# KiCad board AFP_K5172.kicad_pcb (continued)
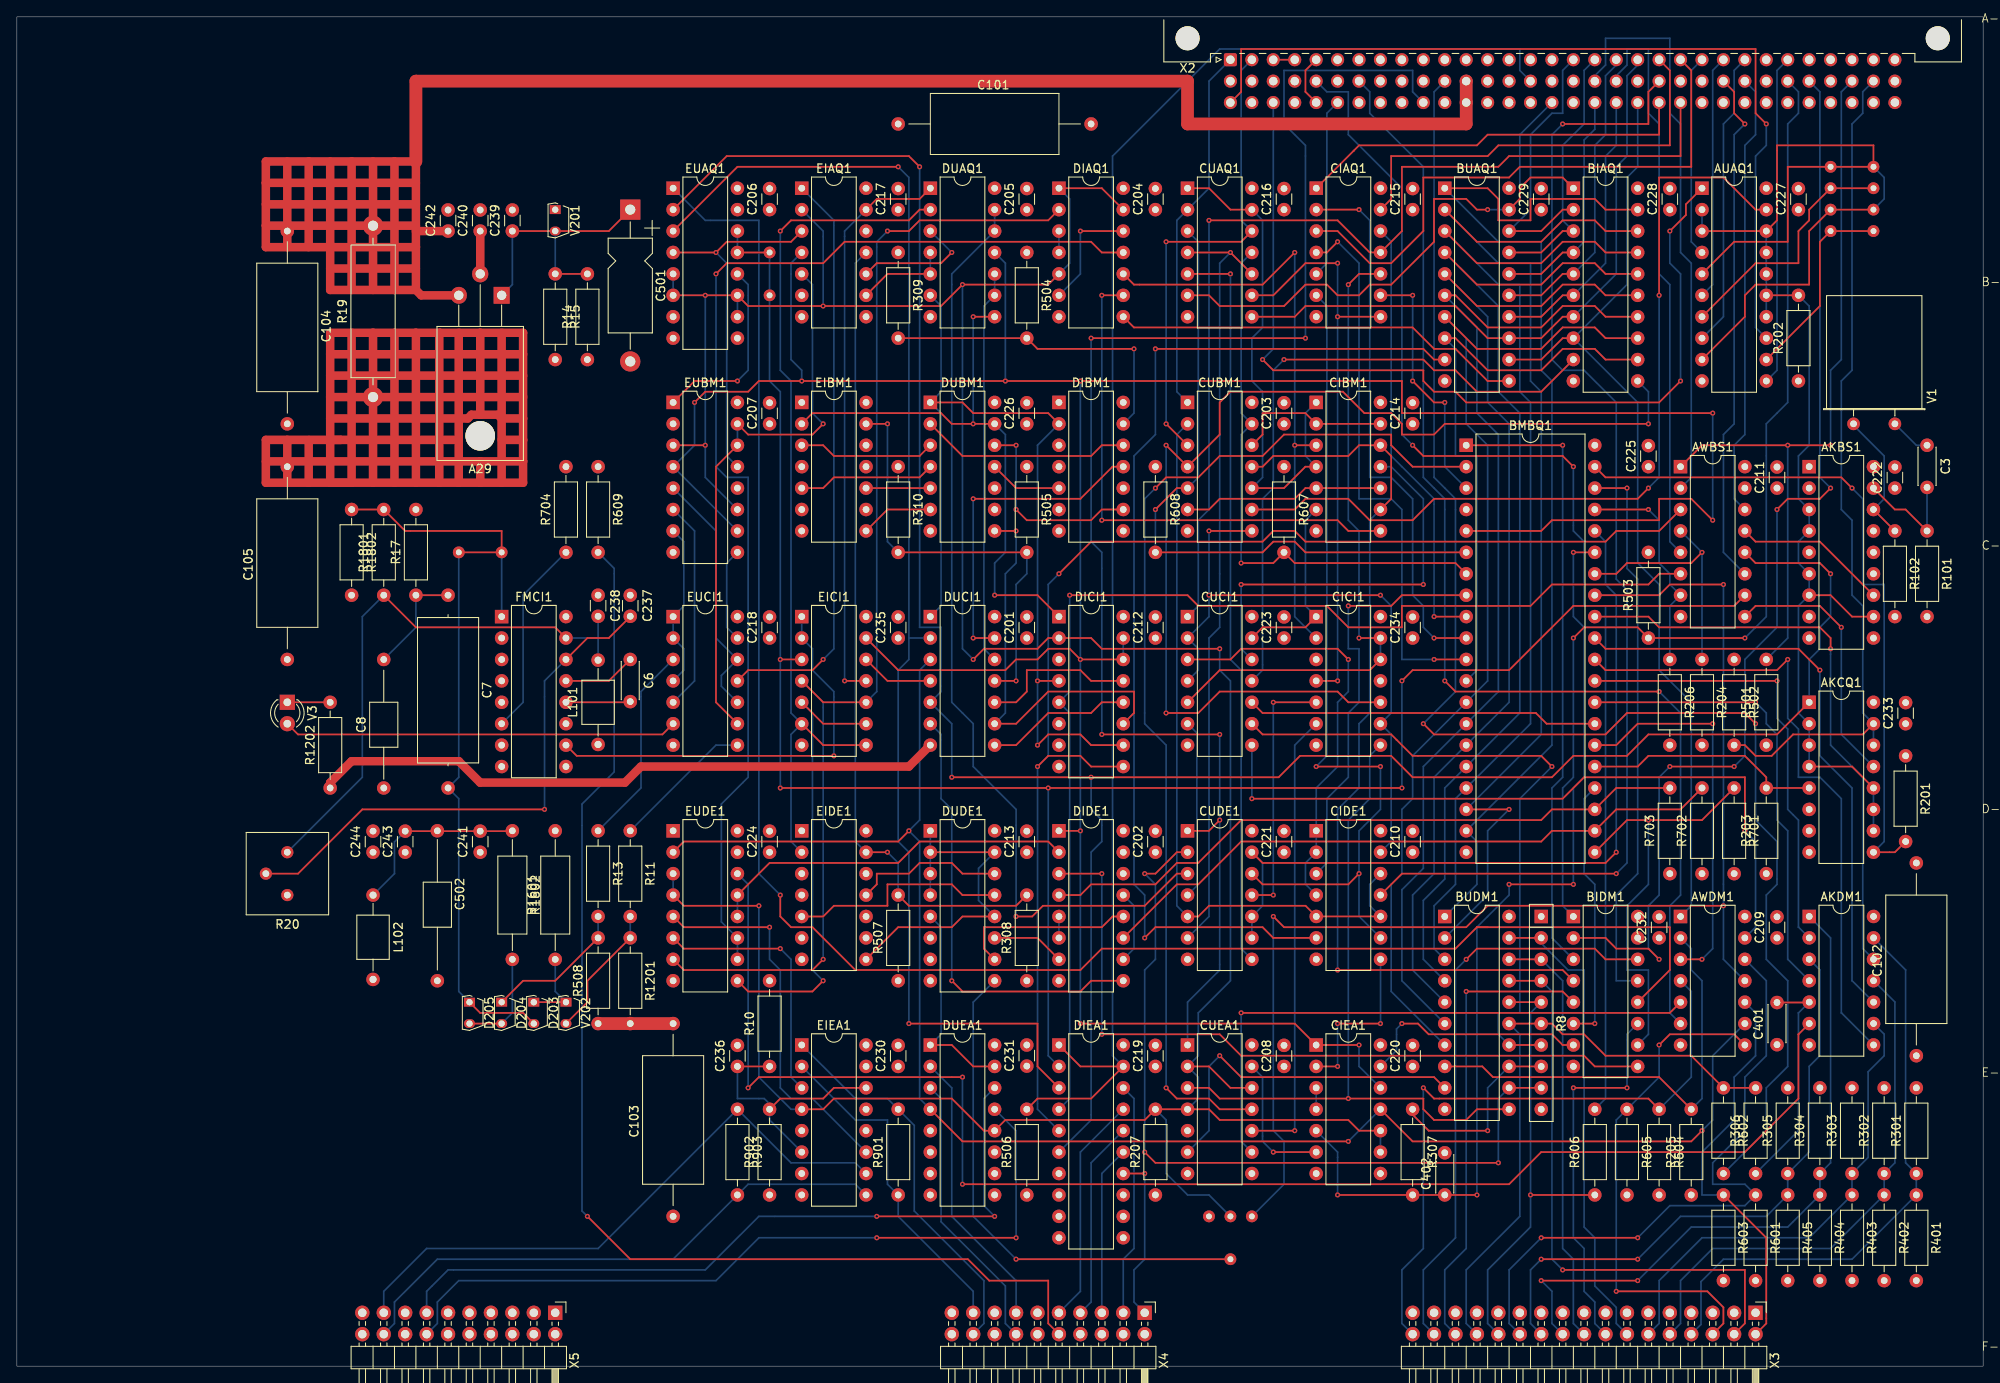
[diagram p0: board, top side]
## Footprints (pads in the part's own frame, mm; a bottom-side part is the same pattern mirrored in y, then rotated) (continued)
  round 2.4 hole 1.2: 1(0,0)
  oval 2.4x2.4 hole 1.2: 2(20.32,0)
TO-92S-2
  rect 1.05x1.3 hole 0.75: 1(0,0)
  oval 1.05x1.3 hole 0.75: 2(2.54,0)
TO-220-3_Horizontal_TabDown
  round 3.5 hole 3.5 unplated: (2.54,16.66)
  rect 1.905x2 hole 1.1: 1(0,0)
  oval 1.905x2 hole 1.1: 2(2.54,-2.54) 3(5.08,0)

## Nets
12P: A29.3 C104.1 C242.1 R19.2 X2.b12 X2.c12
+MFMRDDATA1: EIEA1.2 R901.1 X4.17
+MFMRDDATA2: EIEA1.10 R903.1 X5.17
+MFMWRDATA1: DUEA1.2 X4.13
+MFMWRDATA2: DUEA1.14 X5.13
-10CLKP: DIEA1.14 X4.1
-A0: CIAQ1.13 X2.a21
-A1: CIAQ1.1 X2.c21
-A2: CIAQ1.3 X2.a22
-A3: CIAQ1.11 CUCI1.1 X2.c22
-A4: AUAQ1.4 X2.a23
-A5: AUAQ1.6 X2.a24
-A6: AUAQ1.8 X2.a25
-A7: AUAQ1.11 X2.a27
-BAI: X2.a5 X2.c5
-BUSACK: CIAQ1.5 X2.c6
-CSASDRP: CIDE1.11 X2.b21
-D0: BIAQ1.1 BUAQ1.19 CUAQ1.6 X2.c16
-D1: BIAQ1.2 BUAQ1.18 X2.a17
-D2: BIAQ1.3 BUAQ1.17 X2.a18
-D3: BIAQ1.4 BUAQ1.16 X2.c18
-D4: BIAQ1.5 BUAQ1.15 X2.a19
-D5: BIAQ1.6 BUAQ1.14 X2.c19
-D6: BIAQ1.7 BUAQ1.13 CUAQ1.8 X2.a20
-D7: AWDM1.1 BIAQ1.8 BUAQ1.12 X2.c20
-DIRIN: AWDM1.4 R604.1 X3.34
-DMARDY0: AWDM1.6 X2.b7
-DRUNP: DIEA1.15 X4.5
-DSEL1: BUDM1.16 R8.5 R606.1 X3.26
-DSEL2: BUDM1.15 R8.6 R306.2 R602.1 X3.28
-HSEL0: BUDM1.19 R8.2 X3.14
-HSEL1: BUDM1.18 R8.3 X3.18
-HSEL2: BUDM1.17 R8.4 X3.4
-INDEX: AKDM1.1 R304.1 R404.1 X3.20
-IORQ: AUAQ1.1 X2.c3
-M1: AUAQ1.13 X2.c1
-MFMRDDATA1: EIEA1.1 R901.2 X4.18
-MFMRDDATA2: EIEA1.9 R903.2 X5.18
-MFMWRDATA1: DUEA1.3 X4.14
-MFMWRDATA2: DUEA1.13 X5.14
-PBC9: BIDM1.2 X2.b28
-PEN: DIEA1.1 DIEA1.19 R506.2 X2.b15
-PHTDP: DIEA1.17 X4.9
-PMUL2: AWBS1.1 R501.2 X2.b30
-PMULT: BIDM1.1 R503.1 X2.b27
-PRES: AKCQ1.14 AKCQ1.15 R502.2 X2.b31
-RD: CUAQ1.2 CUBM1.1 X2.a1
-RDATAP: DIEA1.16 X4.7
-READY: AKDM1.3 R305.1 R405.1 X3.22
-RESET: CUDE1.1 CUEA1.1 X2.c10
-RWC: AWDM1.10 R603.1 X3.2
-SC: AKDM1.13 R301.1 R401.1 X3.8
-STEP: AWDM1.12 R601.1 X3.24
-TRACK: AKDM1.11 R302.1 R402.1 X3.10
-VCOCLKP: DIEA1.18 X4.3
-WF: AKDM1.9 R303.1 R403.1 X3.12
-WR: CUAQ1.12 CUBM1.3 X2.a2
-WRGATE: AWDM1.8 R605.1 X3.6
/10CLKI: AKCQ1.1 AWBS1.12 DIEA1.6 DUCI1.5 EUAQ1.2
/D0: BIAQ1.19 BMBQ1.19 BUAQ1.1 BUDM1.1
/D1: BIAQ1.18 BMBQ1.18 BUAQ1.2 BUDM1.2
/D2: BIAQ1.17 BMBQ1.17 BUAQ1.3 BUDM1.3
/D3: BIAQ1.16 BMBQ1.16 BUAQ1.4 BUDM1.4
/D4: BIAQ1.15 BMBQ1.15 BUAQ1.5 BUDM1.5
/D5: BIAQ1.14 BMBQ1.14 BUAQ1.6 BUDM1.6
/D6: BIAQ1.13 BMBQ1.13 BUAQ1.7 BUDM1.7
/D7: BIAQ1.12 BMBQ1.12 BUAQ1.8
/DRUNI: AWBS1.3 DICI1.9 DIEA1.5
/PHTDI: DIEA1.3 DUCI1.2 EUAQ1.3
/RDATAI: AWBS1.6 DICI1.5 DIEA1.4
/VCOCLK: AWBS1.10 DIEA1.2 EICI1.3 ERAW1.1 ERBC1.1 EUAQ1.13 EUAQ1.14
A: AKBS1.18 AKCQ1.16 AKDM1.14 AUAQ1.20 AWBS1.16 AWDM1.14 BIAQ1.20 BIDM1.16 BMBQ1.40 BUAQ1.20 BUDM1.20 C101.2 C102.2 C103.2 C201.2 C202.2 C203.2 C204.2 C205.2 C206.2 C207.2 C208.2 C209.2 C210.2 C211.2 C212.2 C213.2 C214.2 C215.2 C216.2 C217.2 C218.2 C219.2 C220.2 C221.2 C222.2 C223.2 C224.2 C225.2 C226.2 C227.2 C228.2 C229.2 C230.2 C231.2 C232.2 C233.2 C234.2 C235.2 CIAQ1.14 CIBM1.14 CICI1.14 CIDE1.14 CIEA1.14 CUAQ1.14 CUBM1.14 CUCI1.14 CUDE1.14 CUEA1.14 DIAQ1.14 DIBM1.14 DICI1.16 DIDE1.16 DIEA1.20 DUAQ1.14 DUBM1.14 DUCI1.14 DUDE1.16 DUEA1.16 EIAQ1.14 EIBM1.14 EICI1.14 EIDE1.14 EIEA1.16 EUAQ1.16 EUBM1.16 EUCI1.14 EUDE1.16 R8.1 R201.1 R202.1 R203.1 R204.2 R205.1 R206.2 R207.1 R301.2 R302.2 R303.2 R304.2 R305.2 R501.1 R502.1 R503.2 R504.1 R505.1 R506.1 R507.1 R508.1 R601.2 R603.2 R604.2 R605.2 R607.1 R608.1 R701.2 R702.1 R703.1 R902.1 R1201.2 X2.a11 X2.a12 X2.a14 X2.a15 X2.c24 X2.c25
B: AKAQ1.1 AKAU1.1 AKBS1.1 AKBS1.9 AKBS1.13 AKBS1.14 AKCQ1.8 AKDM1.7 AOAQ1.1 AOAU1.1 AUAQ1.7 AUAQ1.10 AUAQ1.12 AWBS1.8 AWBS1.15 AWDM1.7 BIAQ1.10 BIDM1.8 BIDM1.15 BMBQ1.20 BUAQ1.10 BUDM1.10 C8.1 C101.1 C102.1 C103.1 C104.2 C105.2 C201.1 C202.1 C203.1 C204.1 C205.1 C206.1 C207.1 C208.1 C209.1 C210.1 C211.1 C212.1 C213.1 C214.1 C215.1 C216.1 C217.1 C218.1 C219.1 C220.1 C221.1 C222.1 C223.1 C224.1 C225.1 C226.1 C227.1 C228.1 C229.1 C230.1 C231.1 C232.1 C233.1 C234.1 C235.1 C236.2 C237.1 C238.1 C239.2 C240.2 C241.1 C242.2 C243.1 C244.1 C401.1 C402.2 C501.2 C502.2 CIAQ1.7 CIBM1.7 CICI1.7 CIDE1.7 CIEA1.7 CUAQ1.7 CUBM1.7 CUCI1.7 CUDE1.7 CUEA1.7 DIAQ1.7 DIBM1.7 DICI1.3 DICI1.8 DIDE1.8 DIDE1.14 DIEA1.7 DIEA1.8 DIEA1.9 DIEA1.10 DUAQ1.7 DUBM1.7 DUCI1.7 DUDE1.7 DUDE1.8 DUEA1.7 DUEA1.8 DUEA1.9 EIAQ1.7 EIAQ1.12 EIBM1.7 EICI1.7 EIDE1.7 EIEA1.7 EIEA1.8 EIEA1.12 EIEA1.15 EUAQ1.8 EUAQ1.15 EUBM1.2 EUBM1.8 EUBM1.12 EUCI1.7 EUDE1.1 EUDE1.8 EUDE1.15 FMCI1.2 FMCI1.3 FMCI1.8 FMCI1.9 FMCI1.11 R10.2 R14.1 R17.2 R20.3 R101.2 R102.2 R308.1 R309.1 R310.1 R401.2 R402.2 R403.2 R404.2 R405.2 R1202.1 R1601.2 R1802.2 X2.b2 X2.b6 X2.b9 X2.b13 X2.b17 X2.b20 X2.b23 X2.b26 X2.b29 X2.b32 X3.1 X3.3 X3.5 X3.7 X3.9 X3.11 X3.13 X3.15 X3.17 X3.19 X3.21 X3.23 X3.25 X3.27 X3.29 X3.31 X3.33 X4.2 X4.4 X4.6 X4.8 X4.11 X4.12 X4.15 X4.16 X4.19 X4.20 X5.2 X5.4 X5.6 X5.8 X5.11 X5.12 X5.15 X5.16 X5.19 X5.20 X7.4.1
H1: AKAO1.1 AKAS1.1 AKBS1.3 AKBS1.4 AKBS1.6 AKBS1.7 AKBS1.11 AKCQ1.2 AKCQ1.3 AKCQ1.4 AKCQ1.10 AKCQ1.11 AKCQ1.12 AOAO1.1 AOAS1.1 AUAQ1.2 AUAQ1.3 AUAQ1.5 AUAQ1.9 AUAQ1.14 AUAQ1.15 AUAQ1.16 AUAQ1.17 AUAQ1.18 R202.2
H2: CIEA1.9 CIEA1.10 CUEA1.2 CUEA1.4 CUEA1.12 DIAQ1.1 DIAQ1.5 DIAQ1.13 DICI1.2 DUEA1.12 EIAQ1.2 EIEA1.4 EUAQ1.5 EUAQ1.6 EUAQ1.10 EUAQ1.11 EUBM1.3 EUBM1.11 EUDE1.3 EUDE1.4 R207.2 X7.2.1
PDRUN: AWBS1.2 X2.b18
PLL5P: A29.2 C105.1 C240.1 C244.2 FMCI1.16 L101.1 L102.2 R15.2 R19.1 R609.1 R704.2 V201.1
PLL5PM: R609.2 X4.10
PRCLK: AWBS1.11 X2.b24
PRDATA: AWBS1.5 X2.b19
PRG: BIDM1.14 X3.32
PWCLK: AWBS1.14 X2.b25
PWDATA: BIDM1.11 X3.16
PWG: BIDM1.5 X3.30
Net-(A29-ADJ): A29.1 C239.1 C501.1 R14.2 R15.1 V201.2
Net-(AKBS1-OSC): AKBS1.12 AWBS1.13
Net-(AKBS1-X1): AKBS1.17 C3.2 R101.1
Net-(AKBS1-X2): AKBS1.16 R102.1 V1.2
Net-(AKDM1-Pad5): AKDM1.5 C401.2 R306.1
Net-(AUAQ1-Pad19): AUAQ1.19 CUBM1.9
Net-(AWBS1-0): AWBS1.4 BMBQ1.34 R204.1
Net-(AWBS1-1): AWBS1.7 BMBQ1.37 R206.1
Net-(AWBS1-2): AKCQ1.13 AWBS1.9
Net-(AWDM1-Pad5): AWDM1.5 CUEA1.9
Net-(AWDM1-Pad13): AWDM1.13 CUCI1.8
Net-(BIAQ1-CS): BIAQ1.9 CUCI1.11
Net-(BIAQ1-STB): BIAQ1.11 CICI1.10 CUBM1.4
Net-(BIDM1-0): BIDM1.4 CIBM1.9 CIBM1.12 CUBM1.11
Net-(BIDM1-1): BIDM1.7 CIEA1.13
Net-(BIDM1-2): BIDM1.9 DIDE1.3
Net-(BIDM1-3): BIDM1.12 EUAQ1.1
Net-(BIDM1-B0): BIDM1.3 BMBQ1.1
Net-(BIDM1-B1): BIDM1.6 BMBQ1.24
Net-(BIDM1-B2): BIDM1.10 BMBQ1.21 R701.1
Net-(BIDM1-B3): BIDM1.13 BMBQ1.38
Net-(BMBQ1-A0): BMBQ1.9 CIAQ1.12
Net-(BMBQ1-A1): BMBQ1.10 CIAQ1.2
Net-(BMBQ1-A2): BMBQ1.11 CIAQ1.4
Net-(BMBQ1-CS): BMBQ1.8 CIDE1.3
Net-(BMBQ1-DIR): AWDM1.3 BMBQ1.26
Net-(BMBQ1-DRQBF): BMBQ1.36 CUDE1.9 CUDE1.10 CUDE1.13
Net-(BMBQ1-ENDS): AKDM1.12 BMBQ1.32
Net-(BMBQ1-INDEX): AKDM1.2 BMBQ1.29
Net-(BMBQ1-INT): BMBQ1.3 CIAQ1.9
Net-(BMBQ1-R): BMBQ1.5 CIEA1.1 CIEA1.12 DICI1.14 DICI1.15 DIDE1.1 DUAQ1.11 EIAQ1.4 EICI1.13 EUBM1.4 EUBM1.10
Net-(BMBQ1-RBF): BMBQ1.2 CUEA1.11
Net-(BMBQ1-RD): BMBQ1.6 CUAQ1.3 CUBM1.5 R608.2
Net-(BMBQ1-RDC): AKCQ1.9 BMBQ1.39 R201.2
Net-(BMBQ1-RDYBF): BMBQ1.35 C402.1 CIEA1.5 R307.2
Net-(BMBQ1-RDYDR): AKDM1.4 BMBQ1.28
Net-(BMBQ1-STEP): BMBQ1.27 CUCI1.10
Net-(BMBQ1-WR): BMBQ1.7 CUAQ1.11 CUBM1.13 R607.2
Net-(BMBQ1-WRC): AKCQ1.5 BMBQ1.25 R203.2
Net-(BMBQ1-WREAR): BMBQ1.23 DIDE1.4 R703.2
Net-(BMBQ1-WRER): AKDM1.8 BMBQ1.30
Net-(BMBQ1-WRLAT): BMBQ1.22 DIDE1.11 R702.2
Net-(BMBQ1-WRMIN): AWDM1.11 BMBQ1.33 X7.1.1
Net-(BMBQ1-ZT): AKDM1.10 BMBQ1.31
Net-(BUAQ1-CS): BUAQ1.9 CIDE1.6
Net-(BUAQ1-STB): BUAQ1.11 DIAQ1.8
Net-(BUDM1-CS): BUDM1.9 CUEA1.6
Net-(BUDM1-DI7): AWDM1.2 BUDM1.8 R205.2
Net-(BUDM1-DO5): BUDM1.14 CUCI1.9 R8.7
Net-(BUDM1-DO6): BUDM1.13 R8.8 R307.1
Net-(BUDM1-DO7): BUDM1.12 CUDE1.2 R8.9
Net-(BUDM1-STB): BUDM1.11 CICI1.8 CUEA1.3
Net-(C3-Pad1): C3.1 V1.1
Net-(C6-Pad1): C6.1 FMCI1.13
Net-(C6-Pad2): C6.2 FMCI1.12
Net-(C7-Pad1): C7.1 C8.2 R17.1
Net-(C238-Pad2): C238.2 FMCI1.15 L101.2 R20.1 R1801.1
Net-(C241-Pad2): C241.2 C243.2 C502.1 L102.1 R1602.1
Net-(CIAQ1-Pad6): CIAQ1.6 CIDE1.9 CUDE1.12
Net-(CIAQ1-Pad10): CIAQ1.10 CICI1.12 CICI1.13 CUCI1.5
Net-(CIBM1-Pad3): CIBM1.3 CICI1.2 DIAQ1.10
Net-(CIBM1-Pad6): CIBM1.6 CICI1.1 CUCI1.13
Net-(CIBM1-Pad8): CIBM1.8 DIAQ1.9
Net-(CIBM1-Pad10): CIBM1.5 CIBM1.10 CUBM1.6
Net-(CIBM1-Pad11): CIBM1.11 CUCI1.12
Net-(CIBM1-Pad13): CIBM1.2 CIBM1.13 CUBM1.12
Net-(CICI1-Pad5): CICI1.5 CUDE1.11
Net-(CICI1-Pad6): CICI1.6 CUEA1.10
Net-(CICI1-Pad9): CICI1.9 CIDE1.13 CUBM1.8 CUCI1.2 CUCI1.4
Net-(CIDE1-Pad1): CIDE1.1 CIDE1.2 CIDE1.4 CUCI1.3
Net-(CIDE1-Pad8): CIDE1.8 CIEA1.2
Net-(CIDE1-Pad10): CIDE1.5 CIDE1.10 CIDE1.12 CUBM1.2 CUDE1.5
Net-(CIEA1-Pad3): CIEA1.3 CIEA1.4
Net-(CIEA1-Pad6): CIEA1.6 CUEA1.13
Net-(CUAQ1A-E): CIBM1.1 CIBM1.4 CUAQ1.1 CUAQ1.13 CUBM1.10
Net-(CUAQ1B-D): CUAQ1.5 CUDE1.8
Net-(CUAQ1B-E): CUAQ1.4 CUAQ1.10 CUDE1.6
Net-(CUAQ1C-D): CIAQ1.8 CICI1.4 CUAQ1.9
Net-(CUCI1-Pad6): CUCI1.6 CUDE1.4
Net-(CUDE1-Pad3): CUDE1.3 DUAQ1.12 DUAQ1.13
Net-(D203-A): C7.2 D203.2 D205.1 FMCI1.1 FSCC1.1 FWCC1.1 R1801.2 R1802.1
Net-(D203-K): D203.1 R1601.1 V202.1
Net-(D204-A): D204.2 D205.2 R1602.2
Net-(D204-K): D204.1 R13.2 R508.2
Net-(DIAQ1-Pad3): DIAQ1.3 DIAQ1.4
Net-(DIAQ1-Pad12): DIAQ1.6 DIAQ1.12
Net-(DIBM1-3): DIBM1.5 DUBM1.11
Net-(DIBM1-6): DIBM1.9 DUBM1.12
Net-(DIBM1-8): DIBM1.11 DUCI1.13
Net-(DIBM1-9): DIBM1.12 DUBM1.2
Net-(DIBM1-10): DIBM1.13 R309.2 R504.2
Net-(DIBM1-I): DIBM1.2 DICI1.4 DICI1.10 DUAQ1.6 DUBM1.1 DUCI1.1
Net-(DICI1-Pad11): DICI1.11 DUBM1.8 DUCI1.9
Net-(DICI1-Pad12): DICI1.12 DUCI1.8
Net-(DICI1-Pad13): DICI1.13 DUCI1.10
Net-(DIDE1-C): DIDE1.9 DUCI1.6
Net-(DIDE1-D3): DIDE1.5 DIDE1.6
Net-(DIDE1-D5): DIDE1.10 DIDE1.13
Net-(DIDE1-Q1): DIDE1.2 EUDE1.12 EUDE1.13
Net-(DIDE1-Q3): DIDE1.7 DUDE1.11
Net-(DUAQ1-Pad1): DUAQ1.1 EIAQ1.13 EICI1.11
Net-(DUAQ1-Pad3): DUAQ1.3 EIAQ1.10
Net-(DUAQ1-Pad4): DUAQ1.4 DUAQ1.5 EIAQ1.9
Net-(DUAQ1-Pad10): DUAQ1.9 DUAQ1.10 DUCI1.12
Net-(DUCI1-Pad4): DUCI1.4 EICI1.12
Net-(DUDE1-0): DUDE1.1 DUDE1.2 DUDE1.3 DUDE1.4 DUDE1.12 DUDE1.15 EIDE1.8
Net-(DUDE1-5): DUDE1.14 EIDE1.11
Net-(DUDE1-6): DUDE1.13 EIDE1.5
Net-(DUDE1-A1): DIDE1.12 DUDE1.10
Net-(DUDE1-A2): DUDE1.9 X7.3.1
Net-(DUDE1-Q): DUDE1.5 DUEA1.1 DUEA1.15
Net-(EIAQ1-Pad1): EIAQ1.1 EUCI1.11
Net-(EIAQ1-Pad5): EIAQ1.5 EUBM1.14 EUBM1.15 EUCI1.9
Net-(EIBM1-1): DUBM1.3 EIBM1.3
Net-(EIBM1-3): DUBM1.4 EIBM1.5
Net-(EIBM1-5): DUBM1.6 EIBM1.8
Net-(EIBM1-7): DUBM1.5 EIBM1.10
Net-(EIBM1-10): DUCI1.11 EIBM1.13 R310.2 R505.2
Net-(EIBM1-I): DICI1.1 DUAQ1.8 DUBM1.13 EIBM1.2
Net-(EIDE1-10): EIAQ1.11 EIDE1.13 R308.2 R507.2
Net-(EIDE1-I): DUAQ1.2 EICI1.6 EICI1.8 EIDE1.2
Net-(EIEA1-1Y): EIEA1.3 EUDE1.6
Net-(EIEA1-2A): C236.1 EIEA1.6 EIEA1.14 R10.1 R902.2
Net-(EIEA1-4Y): EIEA1.11 EUDE1.5
Net-(EUAQ1-0): EIAQ1.3 EUAQ1.4 EUBM1.13
Net-(EUAQ1-3): EUAQ1.12 EUBM1.1
Net-(EUBM1-Pad5): EUBM1.5 EUCI1.10 EUCI1.12
Net-(EUBM1-Pad6): EUBM1.6 EUCI1.5
Net-(EUBM1-Pad7): EUBM1.7 EUCI1.1 EUCI1.2 EUCI1.4
Net-(EUBM1-Pad9): EUBM1.9 EUCI1.13
Net-(EUCI1-Pad3): EUCI1.3 R13.1
Net-(EUCI1-Pad8): EUCI1.8 R11.1
Net-(EUDE1-1Y): DIAQ1.2 EICI1.4 EICI1.10 EUDE1.7
Net-(EUDE1-2C0): DIAQ1.11 EUDE1.10 EUDE1.11
Net-(EUDE1-2Y): EICI1.5 EICI1.9 EUDE1.9
Net-(EUDE1-A): AKDM1.6 EUDE1.14
Net-(EUDE1-B): AWDM1.9 CIEA1.11 DUCI1.3 DUEA1.4 EUDE1.2
Net-(FMCI1A-EN): FMCI1.6 R704.1
Net-(FMCI1B-F): EICI1.1 EICI1.2 FMCI1.10
Net-(FMCI1B-RA): C237.2 FMCI1.14 R20.2
Net-(V3-A): EUCI1.6 V3.2
Net-(V3-K): R1202.2 V3.1
Net-(V202-A): R11.2 R1201.1 V202.2
Net-(X2-Pin_a3): X2.a3 X2.a4
Net-(X2-Pin_b5): R606.2 X2.b5
Net-(X2-Pin_b11): R602.2 X2.b11

Pads without a net: AKBS1 2 5 8 10 15; AKCQ1 6 7; BMBQ1 4; CICI1 3 11; CIEA1 8; CUEA1 5 8; DIBM1 1 3 4 6 8 10; DICI1 6 7; DIDE1 15; DIEA1 11 12 13; DUBM1 9 10; DUDE1 6; DUEA1 5 6 10 11; EIAQ1 6 8; EIBM1 1 4 6 9 11 12; EIDE1 1 3 4 6 9 10 12; EIEA1 5 13; EUAQ1 7 9; FMCI1 4 5 7; R8 10; X2 a6 a7 a8 a9 a10 a13 a16 a26 a28 a29 a30 a31 a32 b1 b3 b4 b8 b10 b14 b16 b22 c2 c4 c7 c8 c9 c11 c13 c14 c15 c17 c23 c26 c27 c28 c29 c30 c31 c32; X5 1 3 5 7 9 10

## Via types
v1: diameter 0.6, hole 0.3, Top to Bottom, 210 vias

## Routing (per net, layer and track width the routed paths; a pad name or vN(x,y) marks a point on that pad's centre or on a via; arc(x,y) is an arc through that point)
12P: length 369.2
  Top w1: 47.28,132.69 42.2,132.69 ; 47.28,132.69 47.28,137.77 ; 47.28,132.69 47.28,127.61 ; 42.2,132.69 42.2,142.85 ; 42.2,132.69 37.12,132.69 ; 42.2,132.69 42.2,127.61 ; A29.3 47.92,126.98 47.28,127.61 ; 44.75,142.85 44.75,127.61 ; 44.75,142.85 39.66,142.85 ; 44.75,142.85 47.28,142.85 47.28,137.77 ; 47.28,137.77 29.5,137.77 ; 34.58,142.85 29.5,142.85 29.5,140.31 ; 34.58,142.85 34.58,132.69 ; 34.58,142.85 39.66,142.85 ; 29.5,140.31 47.28,140.31 ; 29.5,140.31 29.5,135.24 ; C242.1 47.28,134.6 ; 29.5,135.24 29.5,132.69 32.05,132.69 ; 29.5,135.24 47.28,135.24 ; 37.12,132.69 37.12,142.85 ; 37.12,132.69 32.05,132.69 ; 37.12,132.69 37.12,130.16 ; 47.28,127.61 37.12,127.61 37.12,130.16 ; 32.05,132.69 32.05,142.85 ; 39.66,142.85 39.66,127.61 ; 37.12,130.16 47.28,130.16
  Top w1.5: 47.28,142.85 47.28,152.38 138.72,152.38 138.72,147.3 171.75,147.3 X2.b12
+MFMRDDATA1: length 39.9
  Bottom w0.2: X4.17 113.32,8.87 104.44,17.76 R901.1 103.16,21.57 103.16,29.19 99.35,29.19 EIEA1.2
+MFMRDDATA2: length 71.8
  Bottom w0.2: EIEA1.10 99.35,24.11 91.73,24.11 R903.1 68.88,13.95 48.55,13.95 43.47,8.87 X5.17
+MFMWRDATA1: length 33.4
  Bottom w0.2: X4.13 118.41,10.14 110.78,17.76 110.78,33 DUEA1.2
+MFMWRDATA2: length 89.8
  Top w0.2: v1(101.9,17.76) v1(115.87,17.76)
  Bottom w0.2: v1(115.87,17.76) 114.59,19.03 114.59,31.73 DUEA1.14 ; X5.13 48.55,8.87 51.09,11.41 81.58,11.41 87.93,17.76 v1(101.9,17.76)
-10CLKP: length 20.1
  Top w0.2: v1(133.65,22.84) DIEA1.14
  Bottom w0.2: X4.1 132.38,7.6 132.38,11.41 133.65,12.68 v1(133.65,22.84)
-A0: length 51.1
  Top w0.2: CIAQ1.13 162.85,138.41 162.85,143.49 174.28,143.49 175.56,144.76 195.88,144.76 195.88,153.65 X2.a21
-A1: length 47.1
  Top w0.2: CIAQ1.1 158.41,144.12 158.41,144.12 159.04,144.76 173.01,144.76 174.28,146.03 194.6,146.03 X2.c21
-A2: length 67.7
  Top w0.2: X2.a22 198.41,153.65 198.41,142.22 178.09,142.22 176.82,140.95 166.66,140.95 166.66,134.6 162.85,130.79 160.31,130.79 156.5,134.6 CIAQ1.3
-A3: length 121
  Top w0.2: X2.c22 197.15,143.49 176.82,143.49 175.56,142.22 164.12,142.22 164.12,134.59 CIAQ1.11 160.31,132.06 156.5,135.87 v1(141.26,135.87)
  Bottom w0.2: v1(141.26,135.87) 141.26,101.58 140,100.31 140,90.15 CUCI1.1
-A4: length 23.9
  Bottom w0.2: X2.a23 198.41,153.65 198.41,133.33 AUAQ1.4
-A5: length 29
  Bottom w0.2: X2.a24 200.96,153.65 200.96,128.25 AUAQ1.6
-A6: length 35.1
  Bottom w0.2: AUAQ1.8 202.22,124.44 202.22,147.3 203.5,148.57 203.5,153.65 X2.a25
-A7: length 39.2
  Bottom w0.2: AUAQ1.11 208.57,118.09 208.57,153.65 X2.a27
-BAI: length 6.1
  Top w0.2: X2.a5 152.69,153.65 152.69,151.11 X2.c5
-BUSACK: length 21.4
  Bottom w0.2: X2.c6 155.23,148.57 155.23,130.78 CIAQ1.5
-CSASDRP: length 139.9
  Top w0.2: X2.b21 193.34,151.11 193.34,147.3 v1(183.18,147.3) ; 161.59,55.87 164.13,58.4 v1(189.53,58.4)
  Bottom w0.2: v1(183.18,147.3) 181.91,146.03 181.91,119.36 183.18,118.09 185.72,118.09 189.53,114.28 189.53,93.33 190.79,92.05 190.79,59.67 v1(189.53,58.4)
-D0: length 73.7
  Top w0.2: v1(174.28,137.14) 173.01,137.14 171.75,138.41 167.94,138.41 167.94,133.33 162.85,128.25 160.31,128.25 159.04,126.98 156.5,126.98 155.23,128.25 152.69,128.25 150.16,125.71 142.53,125.71 141.26,126.98 CUAQ1.6 ; BIAQ1.1 183.18,140.95 179.37,140.95 178.09,139.68 178.09,138.41 BUAQ1.19
  Bottom w0.2: v1(174.28,137.14) BUAQ1.19 178.09,138.41 178.09,146.03 X2.c16
-D1: length 32.9
  Top w0.2: BUAQ1.18 180.63,134.6 183.18,137.14 BIAQ1.2
  Bottom w0.2: BUAQ1.18 179.37,137.14 179.37,146.03 181.91,148.57 183.18,148.57 183.18,153.65 X2.a17
-D2: length 31.1
  Top w0.2: BUAQ1.17 180.63,132.06 183.18,134.6 BIAQ1.3
  Bottom w0.2: X2.a18 185.72,153.65 185.72,147.3 183.18,144.76 183.18,135.87 BIAQ1.3
-D3: length 27.5
  Top w0.2: BIAQ1.4 183.18,132.06 180.63,129.52 BUAQ1.16
  Bottom w0.2: X2.c18 186.98,146.66 185.72,145.39 185.72,133.33 BIAQ1.4
-D4: length 36.2
  Top w0.2: BUAQ1.15 180.63,126.98 183.18,129.52 BIAQ1.5
  Bottom w0.2: X2.a19 189.53,154.28 188.25,153.01 188.25,146.03 186.98,144.76 186.98,132.06 BIAQ1.5
-D5: length 33.6
  Top w0.2: BIAQ1.6 183.18,126.98 180.63,124.44 BUAQ1.14
  Bottom w0.2: X2.c19 189.53,144.76 188.25,143.49 188.25,130.79 BIAQ1.6
-D6: length 74.9
  Top w0.2: CUAQ1.8 151.43,124.44 152.69,125.71 170.47,125.71 174.28,121.9 BUAQ1.13 180.63,121.9 183.18,124.44 BIAQ1.7
  Bottom w0.2: X2.a20 192.06,154.28 190.79,153.01 190.79,143.49 189.53,142.22 189.53,129.52 BIAQ1.7
-D7: length 114.7
  Top w0.2: BUAQ1.12 180.63,119.36 183.18,121.9 BIAQ1.8
  Bottom w0.2: X2.c20 192.06,142.22 190.79,140.95 190.79,128.25 BIAQ1.8 192.06,114.28 192.06,95.23 194.6,92.69 194.6,82.53 198.41,78.72 198.41,54.59 AWDM1.1
-DIRIN: length 77.1
  Top w0.2: v1(166.66,33) 167.94,31.73 193.34,31.73 R604.1
  Bottom w0.2: AWDM1.4 198.41,44.43 198.41,34.27 R604.1 ; v1(166.66,33) 166.66,13.95 164.12,11.41 164.12,5.06 X3.34
-DMARDY0: length 142.7
  Top w0.2: v1(169.21,81.26) 170.47,79.99 v1(194.6,79.99)
  Bottom w0.2: AWDM1.6 195.88,41.89 195.88,54.59 197.15,55.86 197.15,77.45 v1(194.6,79.99) ; X2.b7 160.31,151.11 160.31,148.57 166.66,142.22 166.66,105.39 169.21,102.85 v1(169.21,81.26)
-DRUNP: length 20.1
  Bottom w0.2: DIEA1.15 128.56,22.84 X4.5
-DSEL1: length 54
  Top w0.2: BUDM1.16 R8.5 ; R606.1 v1(179.37,20.3)
  Bottom w0.2: R8.5 179.37,41.89 v1(179.37,20.3) 179.37,16.49 174.28,11.41 174.28,5.06 X3.26
-DSEL2: length 72.9
  Top w0.2: R306.2 R602.1 198.41,36.81 188.25,36.81 185.72,39.35 183.18,39.35 181.91,40.62 R8.6 BUDM1.15
  Bottom w0.2: 181.26,40.62 181.27,40.62 ; X3.28 171.75,5.06 171.75,11.41 178.09,17.76 178.09,39.35 BUDM1.15
-HSEL0: length 56.1
  Top w0.2: BUDM1.19 R8.2
  Bottom w0.2: X3.14 189.53,5.06 189.53,6.97 186.98,9.5 186.98,15.22 185.72,16.49 185.72,46.97 183.81,46.97 180.63,50.15 R8.2
-HSEL1: length 50.4
  Top w0.2: BUDM1.18 R8.3
  Bottom w0.2: R8.3 183.18,45.7 183.18,13.95 184.44,12.68 184.44,5.06 X3.18
-HSEL2: length 68.9
  Top w0.2: X3.4 204.76,5.06 204.76,11.41 v1(183.18,11.41) ; BUDM1.17 R8.4
  Bottom w0.2: R8.4 181.91,44.43 181.91,12.68 v1(183.18,11.41)
-INDEX: length 79.2
  Top w0.2: v1(180.63,10.14) v1(192.06,10.14)
  Bottom w0.2: v1(180.63,10.14) 181.91,8.87 181.91,5.06 X3.20 ; AKDM1.1 212.4,53.31 214.92,50.78 214.92,24.11 R304.1 R404.1 209.84,16.49 198.41,16.49 v1(192.06,10.14)
-IORQ: length 109.4
  Top w0.2: AUAQ1.1 197.78,137.77 197.78,136.5 v1(195.88,134.6) ; v1(197.15,116.82) 194.6,114.28 171.75,114.28 170.47,115.55 167.94,115.55 166.66,116.82 166.66,118.09 148.88,118.09 v1(147.62,119.36)
  Bottom w0.2: v1(195.88,134.6) 195.88,130.79 197.15,129.52 v1(197.15,116.82) ; X2.c3 148.88,120.63 v1(147.62,119.36)
-M1: length 103.7
  Top w0.2: X2.c1 145.07,151.11 145.07,156.19 206.03,156.19 206.03,148.57 v1(207.31,147.3)
  Bottom w0.2: v1(207.31,147.3) 207.31,144.76 206.03,143.49 206.03,123.17 AUAQ1.13
-MFMRDDATA1: length 46
  Bottom w0.2: X4.18 114.59,5.06 114.59,10.14 106.34,18.4 106.34,28.56 103.16,31.73 99.35,31.73 EIEA1.1
-MFMRDDATA2: length 66.5
  Bottom w0.2: X5.18 44.75,5.06 44.75,7.6 49.83,12.68 77.77,12.68 86.66,21.57 99.35,21.57 EIEA1.9
-MFMWRDATA1: length 33.4
  Bottom w0.2: X4.14 117.13,5.06 117.13,9.5 109.51,17.12 109.51,31.73 DUEA1.3
-MFMWRDATA2: length 92.4
  Top w0.2: v1(118.41,15.22) v1(101.9,15.22)
  Bottom w0.2: v1(118.41,15.22) 118.41,27.92 DUEA1.13 ; X5.14 49.83,5.06 49.83,7.6 52.36,10.14 82.84,10.14 87.93,15.22 v1(101.9,15.22)
-PBC9: length 132.6
  Top w0.2: v1(214.92,104.12) 213.66,102.85 209.84,102.85 v1(208.57,101.58) ; v1(195.88,71.1) v1(203.5,71.1) ; BIDM1.2 188.25,50.78 189.53,49.51 193.34,49.51 v1(194.6,48.24)
  Bottom w0.2: v1(194.6,48.24) 193.34,49.51 193.34,54.59 194.6,55.86 194.6,69.83 v1(195.88,71.1) ; v1(208.57,101.58) 208.57,87.61 204.76,83.8 204.76,72.37 v1(203.5,71.1) ; v1(214.92,104.12) 213.66,105.39 213.66,151.11 X2.b28
-PEN: length 188.5
  Top w0.2: R506.2 120.94,31.73 127.29,31.73 DIEA1.19 126.03,35.54 DIEA1.1
  Bottom w0.2: DIEA1.19 129.84,36.81 129.84,143.49 142.53,156.19 178.09,156.19 178.09,153.65 X2.b15
-PHTDP: length 27.3
  Bottom w0.2: DIEA1.17 126.03,25.38 126.03,8.87 X4.9
-PMUL2: length 89.5
  Top w0.2: AWBS1.1 199.69,109.2 v1(209.84,109.2) v1(214.92,109.2)
  Bottom w0.2: v1(214.92,109.2) 214.92,118.09 216.2,119.36 216.2,151.11 X2.b30 ; R501.2 209.84,86.34 v1(209.84,109.2)
-PMULT: length 124.6
  Top w0.2: v1(204.76,86.34) R503.1 192.06,87.61 185.72,87.61 v1(184.44,86.34)
  Bottom w0.2: v1(184.44,86.34) 184.44,69.83 183.18,68.56 183.18,54.59 BIDM1.1 ; v1(204.76,86.34) 207.31,88.88 207.31,111.74 209.84,114.28 209.84,147.3 211.12,148.57 211.12,151.11 X2.b27
-PRES: length 100.5
  Top w0.2: AKCQ1.15 218.73,74.91 210.48,74.91 207.94,72.37 206.03,72.37 204.76,73.64 R502.2
  Bottom w0.2: AKCQ1.14 AKCQ1.15 218.73,77.45 218.73,90.15 217.47,91.42 217.47,100.31 216.2,101.58 216.2,116.82 217.47,118.09 217.47,147.3 218.73,148.57 218.73,151.11 X2.b31
-RD: length 43.8
  Bottom w0.2: X2.a1 141.26,152.38 141.26,139.68 CUAQ1.2 137.46,135.87 137.46,115.55 CUBM1.1
-RDATAP: length 23.7
  Bottom w0.2: X4.7 127.29,7.6 127.29,24.11 DIEA1.16
-READY: length 72.4
  Top w0.2: v1(192.06,12.68) v1(180.63,12.68)
  Bottom w0.2: v1(192.06,12.68) 197.15,17.76 207.31,17.76 R405.1 R305.1 212.39,25.38 212.39,35.54 213.66,36.81 213.66,46.98 212.4,48.25 ; X3.22 179.37,5.06 179.37,11.41 v1(180.63,12.68)
-RESET: length 182
  Top w0.2: v1(128.56,74.91) v1(142.53,74.91) ; CUDE1.1 141.26,63.48 v1(142.53,64.75) ; v1(152.69,121.9) v1(127.29,121.9)
  Bottom w0.2: CUEA1.1 138.72,43.16 142.53,46.97 v1(142.53,64.75) v1(142.53,74.91) ; v1(128.56,74.91) 128.56,96.5 127.29,97.77 v1(127.29,121.9) ; X2.c10 165.4,151.11 165.4,153.65 150.16,153.65 150.16,147.3 152.69,144.76 v1(152.69,121.9)
-RWC: length 47.7
  Top w0.2: X3.2 207.31,5.06 207.31,15.22 R603.1
  Bottom w0.2: R603.1 199.69,20.3 199.69,25.38 203.5,29.19 203.5,34.27 206.03,36.81 206.03,41.89 AWDM1.10
-SC: length 69.1
  Bottom w0.2: X3.8 199.56,4.94 199.56,10.02 202.22,12.68 217.47,12.68 R401.1 R301.1 223.82,24.11 223.82,46.98 AKDM1.13
-STEP: length 77
  Top w0.2: v1(180.63,15.22) v1(192.06,15.22)
  Bottom w0.2: v1(192.06,15.22) 195.88,19.03 204.76,19.03 R601.1 204.76,21.57 200.96,21.57 200.96,24.11 204.76,27.92 204.76,34.27 207.31,36.81 207.31,45.7 AWDM1.12 ; v1(180.63,15.22) 176.82,11.41 176.82,5.06 X3.24
-TRACK: length 62.2
  Bottom w0.2: X3.10 197.15,5.06 197.15,10.14 200.96,13.95 214.92,13.95 R402.1 R302.1 222.54,24.11 222.54,43.17 AKDM1.11
-VCOCLKP: length 27.7
  Bottom w0.2: X4.3 131.1,12.68 132.38,13.95 132.38,31.73 DIEA1.18
-WF: length 56.4
  Bottom w0.2: AKDM1.9 221.28,39.37 221.28,36.81 219.37,34.91 219.37,24.75 R303.1 R403.1 212.39,15.22 199.69,15.22 194.6,10.14 194.6,5.06 X3.12
-WR: length 57.2
  Top w0.2: v1(136.19,133.33) 145.07,133.33 CUAQ1.12 ; CUBM1.3 v1(136.19,111.74)
  Bottom w0.2: X2.a2 145.07,153.65 145.07,135.87 CUAQ1.12 ; v1(136.19,111.74) v1(136.19,133.33)
-WRGATE: length 59.7
  Top w0.2: v1(194.6,38.08) 195.88,39.35 203.5,39.35 AWDM1.8 ; v1(189.53,8.87) 200.32,8.87 202.22,6.97 202.22,5.06 X3.6
  Bottom w0.2: v1(189.53,8.87) 189.53,29.19 R605.1 194.6,34.27 v1(194.6,38.08)
/10CLKI: length 290.8
  Top w0.2: AKCQ1.1 208.57,74.91 193.34,74.91 190.79,72.37 184.44,72.37 181.91,69.83 165.4,69.83 162.85,72.37 152.06,72.37 149.52,69.83 v1(127.29,69.83) v1(110.78,69.83) ; EUAQ1.2 84.12,143.49 105.71,143.49 v1(106.97,142.22) ; AWBS1.12 206.03,95.23 213.66,95.23 v1(214.92,93.96)
  Bottom w0.2: DIEA1.6 127.29,29.19 127.29,60.94 128.56,62.21 128.56,64.75 127.29,66.02 v1(127.29,69.83) ; v1(106.97,142.22) 106.97,87.61 109.51,87.61 109.51,79.99 DUCI1.5 110.78,76.18 v1(110.78,69.83) ; v1(214.92,93.96) 214.92,88.88 213.66,87.61 213.66,85.07 212.39,83.8 AKCQ1.1
/D0: length 129.9
  Top w0.2: BUAQ1.1 174.28,139.68 175.56,138.41 175.56,135.87 179.37,135.87 179.37,138.41 186.98,138.41 188.25,137.14 BIAQ1.19
  Bottom w0.2: BUAQ1.1 175.56,133.33 180.63,133.33 180.63,118.09 181.91,116.82 181.91,73.64 BMBQ1.19 173.01,62.21 173.01,57.13 BUDM1.1
/D1: length 131.3
  Top w0.2: BIAQ1.18 188.25,134.6 186.98,135.87 183.18,135.87 180.63,133.33 173.01,133.33 BUAQ1.2 ; v1(176.82,66.02) BMBQ1.18
  Bottom w0.2: v1(176.82,66.02) 174.28,63.48 174.28,55.86 BUDM1.2 ; BMBQ1.18 180.63,74.91 180.63,115.55 179.37,116.82 179.37,130.79 175.56,130.79 BUAQ1.2
/D2: length 123.3
  Top w0.2: BIAQ1.17 188.25,132.06 186.98,133.33 183.18,133.33 180.63,130.79 173.01,130.79 BUAQ1.3
  Bottom w0.2: BUAQ1.3 175.56,128.25 178.09,128.25 178.09,115.55 179.37,114.28 179.37,76.18 BMBQ1.17 170.47,67.29 170.47,57.13 167.94,54.59 167.94,49.51 BUDM1.3
/D3: length 121.8
  Top w0.2: BUAQ1.4 173.01,128.25 180.63,128.25 183.18,130.79 186.98,130.79 188.25,129.52 BIAQ1.16
  Bottom w0.2: BUDM1.4 166.66,48.24 166.66,55.22 169.21,57.76 169.21,68.56 BMBQ1.16 178.09,77.45 178.09,113.01 175.56,115.55 175.56,125.71 BUAQ1.4
/D4: length 121.8
  Top w0.2: BIAQ1.15 188.25,126.98 186.98,128.25 183.18,128.25 180.63,125.71 173.01,125.71 BUAQ1.5
  Bottom w0.2: BUDM1.5 165.4,46.97 165.4,55.86 167.94,58.4 167.94,69.83 BMBQ1.15 176.82,78.72 176.82,111.74 174.28,114.28 174.28,124.44 BUAQ1.5
/D5: length 121.8
  Top w0.2: BIAQ1.14 188.25,124.44 186.98,125.71 183.18,125.71 180.63,123.17 174.28,123.17 170.47,126.98 BUAQ1.6
  Bottom w0.2: BUAQ1.6 173.01,123.17 173.01,113.01 175.56,110.47 175.56,79.99 BMBQ1.14 166.66,71.1 166.66,59.03 164.12,56.5 164.12,45.7 BUDM1.6
/D6: length 121.8
  Top w0.2: BIAQ1.13 188.25,121.9 186.98,123.17 183.18,123.17 180.63,120.63 173.01,120.63 BUAQ1.7
  Bottom w0.2: BUDM1.7 162.85,44.43 162.85,57.13 164.12,58.4 164.12,66.02 165.4,67.29 165.4,72.37 BMBQ1.13 174.28,81.26 174.28,109.2 171.75,111.74 171.75,121.9 BUAQ1.7
/D7: length 70.2
  Top w0.2: BUAQ1.8 170.47,121.9 174.28,118.09 180.63,118.09 183.18,120.63 186.98,120.63 188.25,119.36 BIAQ1.12
  Bottom w0.2: BMBQ1.12 173.01,82.53 173.01,107.93 170.47,107.93 170.47,120.63 BUAQ1.8
/DRUNI: length 157.2
  Top w0.2: v1(123.48,93.96) 127.29,97.77 147.62,97.77 148.88,99.04 151.43,99.04 152.69,97.77 188.25,97.77 189.53,99.04 194.6,99.04 AWBS1.3 ; DICI1.9 127.29,71.1 126.03,72.37 122.22,72.37 v1(120.94,71.1)
  Bottom w0.2: v1(123.48,93.96) 122.22,92.69 122.22,72.37 v1(120.94,71.1) 120.94,30.46 DIEA1.5
/PHTDI: length 159.5
  Top w0.2: v1(104.44,142.22) 85.38,142.22 EUAQ1.3 ; DIEA1.3 120.94,35.54 120.94,40.62 v1(105.71,40.62)
  Bottom w0.2: DUCI1.2 105.71,86.34 ; 105.71,86.34 105.71,83.8 104.44,82.53 104.44,62.21 105.71,60.94 v1(105.71,40.62) ; 105.71,86.34 105.71,140.95 v1(104.44,142.22)
/RDATAI: length 140.6
  Top w0.2: AWBS1.6 194.6,93.96 193.34,92.69 181.91,92.69 179.37,90.15 164.12,90.15 164.12,87.61 157.78,87.61 155.23,90.15 140,90.15 138.72,91.42 v1(124.75,91.42)
  Bottom w0.2: v1(124.75,91.42) 124.75,79.99 DICI1.5 124.75,77.45 124.75,31.73 DIEA1.4
/VCOCLK: length 237.7
  Top w0.2: v1(90.47,83.8) EICI1.3 ; EUAQ1.13 ERAW1.1 ; AWBS1.10 203.5,90.15 184.44,90.15 176.82,82.53 165.4,82.53 v1(164.12,81.26) ; v1(90.47,68.56) v1(122.22,68.56) v1(164.12,68.56)
  Bottom w0.2: v1(90.47,68.56) v1(90.47,83.8) 90.47,115.55 89.19,116.82 ERBC1.1 ERAW1.1 ; EUAQ1.13 EUAQ1.14 ; v1(122.22,68.56) 122.22,36.81 DIEA1.2 ; v1(164.12,68.56) v1(164.12,81.26)
A: length 8.9
  Top w1.5: R508.1 C103.2
B: length 128.8
  Top w0.2: AKAU1.1 AOAU1.1 213.66,133.33 213.66,125.71 AUAQ1.12 ; AKAQ1.1 AOAQ1.1 212.39,137.14 212.39,135.87 211.12,134.6 211.12,130.79 206.03,130.79 AUAQ1.7
  Top w1: R1202.1 37.12,69.19 39.66,71.73 52.36,71.73 54.91,69.19 72.05,69.19 73.95,71.1 105.71,71.1 DUCI1.7
H1: length 200.6
  Top w0.2: AKCQ1.12 217.47,71.1 AKCQ1.4 ; AUAQ1.9 204.76,124.44 204.76,126.98 206.03,128.25 212.39,128.25 212.39,134.6 AOAS1.1 AKAS1.1 ; AUAQ1.15 R202.2 ; AUAQ1.5 203.5,133.33 209.84,133.33 209.84,142.22 AOAO1.1 AKAO1.1 220.01,144.76 208.57,144.76 208.57,135.87 AUAQ1.18 AUAQ1.3 ; AKBS1.7 214.92,91.42 217.47,88.88 AKBS1.11
  Bottom w0.2: AKAS1.1 221.28,138.41 221.28,140.95 AKAO1.1 ; AUAQ1.14 AUAQ1.18 ; AKCQ1.12 AKCQ1.10 ; AKCQ1.4 AKCQ1.2 211.12,77.45 211.12,90.15 AKBS1.7 AKBS1.6 211.12,95.23 211.12,97.77 AKBS1.4 AKBS1.3 211.12,102.85 211.12,107.93 212.39,109.2 212.39,125.71 R202.2 ; AUAQ1.3 AUAQ1.2
H2: length 392.2
  Top w0.2: CIEA1.10 159.04,27.92 157.78,29.19 142.53,29.19 141.26,30.46 CUEA1.4 R207.2 133.65,29.19 117.13,29.19 DUEA1.12 114.59,27.92 110.78,31.73 96.81,31.73 95.54,30.46 EIEA1.4 ; v1(113.32,83.8) 114.59,85.07 120.94,85.07 122.22,86.34 DICI1.2 127.29,86.34 128.56,85.07 v1(142.53,85.07) ; DIAQ1.5 122.22,128.25 v1(112.06,128.25) 109.51,125.71 v1(95.54,125.71) 86.66,125.71 EUAQ1.11 v1(81.58,126.98) EUAQ1.6 ; v1(87.93,54.59) 79.03,54.59 EUDE1.4 ; DIAQ1.1 128.56,139.68 DIAQ1.13 ; EUBM1.3 v1(81.58,109.2) ; CUEA1.12 143.81,33 141.26,35.54 CUEA1.2
  Bottom w0.2: v1(87.93,54.59) 87.93,34.27 91.73,30.46 EIEA1.4 ; v1(95.54,125.71) 95.54,134.6 EIAQ1.2 ; CIEA1.9 CIEA1.10 ; v1(142.53,85.07) 142.53,82.53 143.81,81.26 143.81,45.7 140,41.89 140,36.81 CUEA1.2 140,34.27 140,31.73 CUEA1.4 ; EUDE1.4 EUDE1.3 ; EUBM1.11 81.58,105.39 v1(81.58,109.2) v1(81.58,126.98) ; EUAQ1.11 EUAQ1.10 ; X7.2.1 141.26,20.3 138.72,20.3 136.19,22.84 136.19,29.19 R207.2 ; v1(113.32,83.8) 112.06,85.07 v1(112.06,128.25) ; DIAQ1.1 124.75,138.41 124.75,130.79 DIAQ1.5 ; EUAQ1.6 EUAQ1.5
PDRUN: length 68.1
  Bottom w0.2: X2.b18 186.98,153.01 188.25,154.28 188.25,157.46 195.88,157.46 195.88,148.57 197.15,147.3 197.15,132.06 198.41,130.79 198.41,105.39 AWBS1.2
PLL5P: length 397.5
  Top w1: 47.28,104.75 50.04,104.75 ; 47.28,104.75 47.28,122.53 ; 47.28,104.75 44.75,104.75 ; 50.04,104.75 50.04,122.47 50.11,122.53 ; 50.04,104.75 52.36,104.75 ; 52.36,104.75 54.91,104.75 ; 52.36,104.75 52.36,122.53 ; 54.91,104.75 57.44,104.75 ; 54.91,104.75 54.91,107.3 ; 59.98,107.3 59.98,104.75 57.44,104.75 ; 59.98,107.3 54.91,107.3 ; 59.98,107.3 59.98,109.83 ; A29.2 C240.1 ; 57.44,104.75 57.44,122.53 ; 37.12,109.83 37.12,104.75 39.66,104.75 ; 37.12,109.83 38.39,109.83 ; 37.12,109.83 37.12,112.38 ; 54.91,107.3 29.5,107.3 ; 34.58,104.75 29.5,104.75 29.5,109.83 32.05,109.83 ; 34.58,104.75 39.66,104.75 ; 34.58,104.75 34.58,109.83 ; 38.39,109.83 32.05,109.83 ; 38.39,109.83 52.36,109.83 ; 32.05,109.83 32.05,104.75 ; 42.2,122.53 37.12,122.53 37.12,119.99 ; 42.2,122.53 47.28,122.53 ; 42.2,122.53 R19.1 42.2,104.75 ; 50.11,122.53 47.28,122.53 ; 50.11,122.53 54.91,122.53 ; 37.12,119.99 37.12,117.45 ; 37.12,119.99 59.98,119.99 ; 37.12,117.45 59.98,117.45 ; 37.12,117.45 37.12,114.91 ; 59.98,109.83 59.98,112.38 ; 59.98,109.83 57.44,109.83 ; 39.66,104.75 39.66,122.53 ; 39.66,104.75 42.2,104.75 ; 37.12,112.38 53.42,112.38 53.87,112.82 54.91,112.82 ; 37.12,112.38 37.12,114.91 ; 37.12,114.91 59.98,114.91 ; 59.98,112.38 59.98,122.53 54.91,122.53 ; 59.98,112.38 57.44,112.38 57,112.82 54.91,112.82 ; 54.91,122.53 54.91,112.82 ; 42.2,104.75 44.75,104.75 ; 44.75,104.75 44.75,122.53
